# KiCad board Parallel.kicad_pcb (continued)
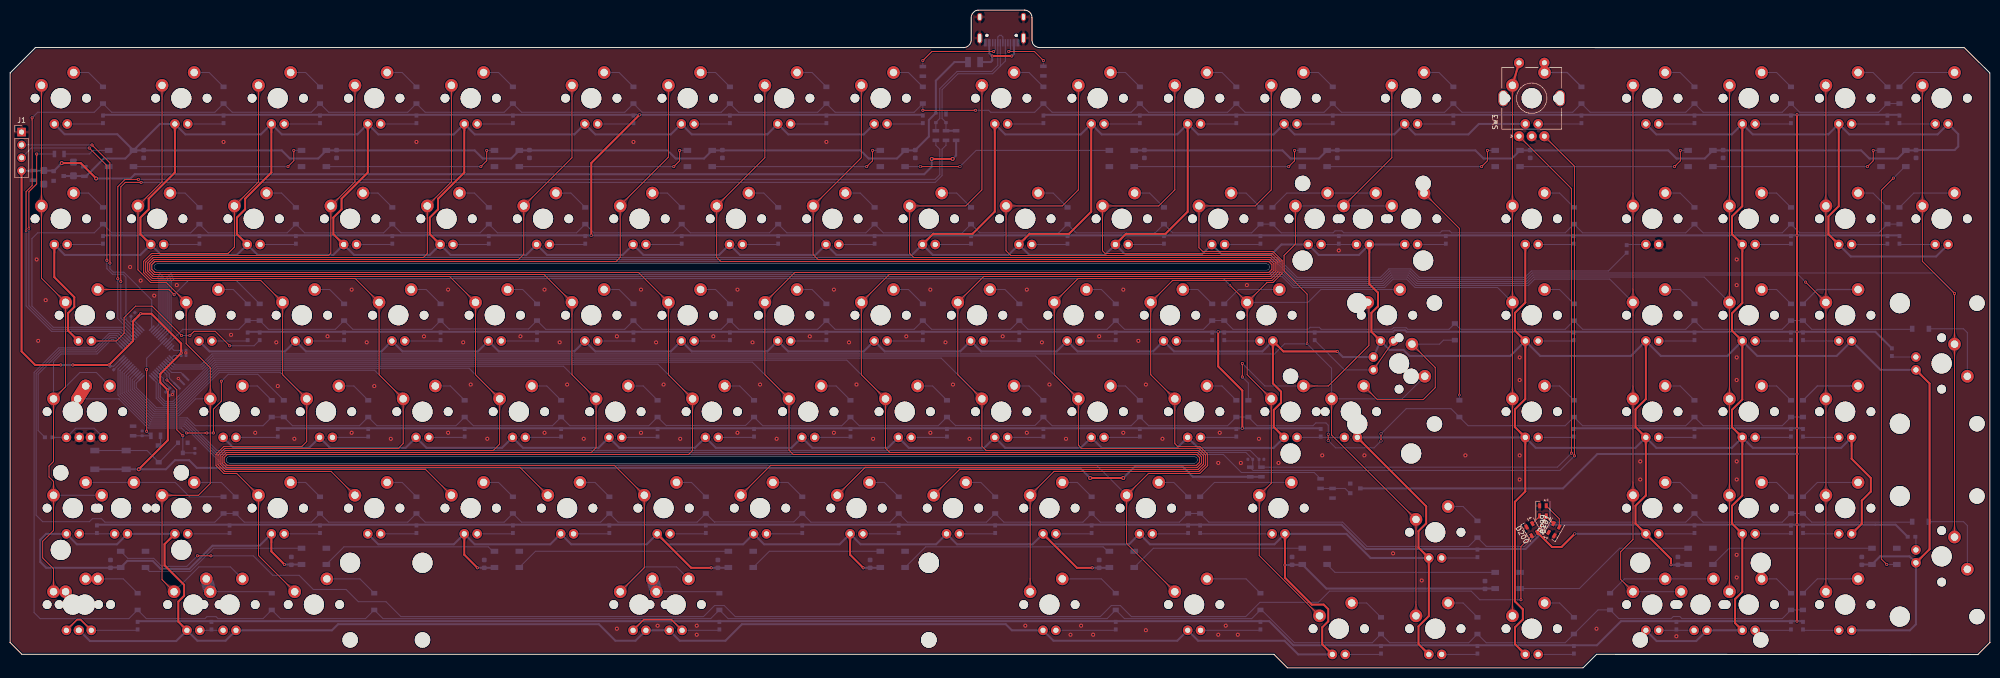
[diagram p0: board, top side]
## Placement (name value [footprint] x y rotation side) (continued)
R48  330R  [C_0603]  49.29 65.48 90 bottom
R49  330R  [C_0603]  89.77 46.43 90 bottom
R50  330R  [C_0603]  65.96 65.48 90 bottom
R51  330R  [C_0603]  108.82 46.43 90 bottom
R52  330R  [C_0603]  104.06 65.48 90 bottom
R53  330R  [C_0603]  257.65 65.48 90 bottom
R54  330R  [C_0603]  373.14 84.53 90 bottom
R55  330R  [C_0603]  235.03 27.38 90 bottom
R56  330R  [C_0603]  354.09 65.48 90 bottom
R57  330R  [C_0603]  204.07 46.43 90 bottom
R58  330R  [C_0603]  156.45 27.38 90 bottom
R59  330R  [C_0603]  146.92 46.43 90 bottom
R60  330R  [C_0603]  370.76 84.53 90 bottom
R61  330R  [C_0603]  308.85 65.48 90 bottom
R62  330R  [C_0603]  185.02 46.43 90 bottom
R63  330R  [C_0603]  213.6 27.38 90 bottom
R64  330R  [C_0603]  351.71 46.43 90 bottom
R65  330R  [C_0603]  308.85 46.43 90 bottom
R66  330R  [C_0603]  218.36 65.48 90 bottom
R67  330R  [C_0603]  165.97 46.43 90 bottom
R68  330R  [C_0603]  354.09 46.43 90 bottom
R69  330R  [C_0603]  332.66 65.48 90 bottom
R70  330R  [C_0603]  237.41 65.48 90 bottom
R71  330R  [C_0603]  175.5 27.38 90 bottom
R72  330R  [C_0603]  137.4 27.38 90 bottom
R73  330R  [C_0603]  332.66 46.43 90 bottom
R74  330R  [C_0603]  258.84 46.43 90 bottom
R75  330R  [C_0603]  223.12 46.43 90 bottom
R76  330R  [C_0603]  232.65 27.38 90 bottom
R77  330R  [C_0603]  194.55 27.38 90 bottom
R78  330R  [C_0603]  351.71 84.53 90 bottom
R79  330R  [C_0603]  199.31 65.48 90 bottom
R80  330R  [C_0603]  127.87 46.43 90 bottom
R81  330R  [C_0603]  371.65 62.35 90 bottom
R82  330R  [C_0603]  242.17 46.43 90 bottom
R83  330R  [C_0603]  319.27 82.75 90 bottom
R84  330R  [C_0603]  308.85 84.53 90 bottom
R85  330R  [C_0603]  239.79 65.48 90 bottom
R86  330R  [C_0603]  351.71 65.48 90 bottom
R87  330R  [C_0603]  118.35 27.38 90 bottom
R88  330R  [C_0603]  99.3 27.38 90 bottom
R89  330R  [C_0603]  80.25 27.38 90 bottom
R90  330R  [C_0603]  289.8 22.62 90 bottom
R91  330R  [C_0603]  61.2 27.38 90 bottom
R92  330R  [C_0603]  17.14 27.38 90 bottom
R93  330R  [C_0603]  43.34 27.38 90 bottom
R94  330R  [C_0603]  332.66 27.38 90 bottom
R95  330R  [C_0603]  351.71 27.38 90 bottom
R96  330R  [C_0603]  354.09 27.38 90 bottom
R97  330R  [C_0603]  308.85 3.57 90 bottom
R98  330R  [C_0603]  375.52 25.9 180 bottom
R99  330R  [C_0603]  270.75 3.57 90 bottom
R100  330R  [C_0603]  289.8 3.57 90 bottom
R101  330R  [C_0603]  140.08 8.33 90 bottom
R102  330R  [C_0603]  218.36 8.33 90 bottom
R103  330R  [C_0603]  246.93 8.33 90 bottom
R104  330R  [C_0603]  329.09 8.33 90 bottom
R105  330R  [C_0603]  351.71 8.33 90 bottom
R106  330R  [C_0603]  354.09 8.33 90 bottom
R107  5.1k  [R_0805]  180.26 117.82 90 bottom
R108  5.1k  [R_0805]  204.07 117.87 90 bottom
R109  22  [R_0805]  184.83 105.14 90 bottom
R110  22  [R_0805]  182.83 105.14 90 bottom
R111  330R  [C_0603]  25.18 8.33 90 bottom
R112  330R  [C_0603]  39.77 8.33 90 bottom
R113  200-500R  [R_0805]  9.7 101.5 0 bottom
R114  100R  [R_0805]  258.81 36.39 270 bottom
R115  10k  [R_0805]  261.17 34.49 270 bottom
R116  10k  [R_0805]  247.13 38.7 90 bottom
R117  330k (±1%)  [R_0805]  28.75 45.84 180 bottom
R118  1.5k  [R_0805]  186.83 105.14 90 bottom
RGB1  WS2812B  [LED_WS2812B_PLCC4_5.0x5.0mm_P3.2mm]  21.91 100.61 180 bottom
RGB2  WS2812B  [LED_WS2812B_PLCC4_5.0x5.0mm_P3.2mm]  60.01 100.61 180 bottom
RGB3  WS2812B  [LED_WS2812B_PLCC4_5.0x5.0mm_P3.2mm]  98.11 100.61 180 bottom
RGB4  WS2812B  [LED_WS2812B_PLCC4_5.0x5.0mm_P3.2mm]  136.21 100.61 180 bottom
RGB5  WS2812B  [LED_WS2812B_PLCC4_5.0x5.0mm_P3.2mm]  174.31 100.61 180 bottom
RGB6  WS2812B  [LED_WS2812B_PLCC4_5.0x5.0mm_P3.2mm]  219.55 100.61 180 bottom
RGB7  WS2812B  [LED_WS2812B_PLCC4_5.0x5.0mm_P3.2mm]  257.65 100.61 180 bottom
RGB8  WS2812B  [LED_WS2812B_PLCC4_5.0x5.0mm_P3.2mm]  295.75 100.61 180 bottom
RGB9  WS2812B  [LED_WS2812B_PLCC4_5.0x5.0mm_P3.2mm]  333.85 100.61 180 bottom
RGB10  WS2812B  [LED_WS2812B_PLCC4_5.0x5.0mm_P3.2mm]  371.95 100.61 180 bottom
RGB11  WS2812B  [LED_WS2812B_PLCC4_5.0x5.0mm_P3.2mm]  24.29 21.43 0 bottom
RGB12  WS2812B  [LED_WS2812B_PLCC4_5.0x5.0mm_P3.2mm]  60.01 22.03 0 bottom
RGB13  WS2812B  [LED_WS2812B_PLCC4_5.0x5.0mm_P3.2mm]  98.11 21.43 0 bottom
RGB14  WS2812B  [LED_WS2812B_PLCC4_5.0x5.0mm_P3.2mm]  144.3 21.43 0 bottom
RGB15  WS2812B  [LED_WS2812B_PLCC4_5.0x5.0mm_P3.2mm]  174.31 21.43 0 bottom
RGB16  WS2812B  [LED_WS2812B_PLCC4_5.0x5.0mm_P3.2mm]  219.55 21.43 0 bottom
RGB17  WS2812B  [LED_WS2812B_PLCC4_5.0x5.0mm_P3.2mm]  257.65 22.03 0 bottom
RGB18  WS2812B  [LED_WS2812B_PLCC4_5.0x5.0mm_P3.2mm]  295.75 17.26 0 bottom
RGB19  WS2812B  [LED_WS2812B_PLCC4_5.0x5.0mm_P3.2mm]  333.85 22.03 0 bottom
RGB20  WS2812B  [LED_WS2812B_PLCC4_5.0x5.0mm_P3.2mm]  370.16 22.03 0 bottom
SW1  SW_Push  [SKQG-1155865]  19.82 41.08 180 bottom
SW3  Rotary_Encoder_Switch  [RotaryEncoder_Alps_EC11E-Switch_Vertical_H20mm_Center]  300.51 112.51 90 top
U1  STM32F303CCT6  [LQFP-48_7x7mm_P0.5mm]  26.97 62.21 135 bottom
U2  MCP1700-3302E / MCP1703A-3302 (SOT23)  [SOT-23]  9.59 97.15 0 bottom
U5  PRTR5V0U2X  [SOT143B]  183.83 108.64 180 bottom
USB1  HRO-TYPE-C-31-M-12  [HRO-TYPE-C-31-M-12-Assembly]  195.81 131.16 0 bottom
Y2  Resonator 8Mhz  [Resonator_SMD_muRata_CSTxExxV-3Pin_3.0x1.1mm]  33.81 56.55 225 bottom

## Footprints (pads in the part's own frame, mm; a bottom-side part is the same pattern mirrored in y, then rotated)
C_0402_1005Metric
  rrect 0.56x0.62 smd: 1(-0.48,0) 2(0.48,0)
C_0603
  rect 0.8x0.75 smd: 1(-0.75,0) 2(0.75,0)
C_0603_1608Metric
  rrect 0.9x0.95 smd: 1(-0.775,0) 2(0.775,0)
CP_EIA-3216-10_Kemet-I
  rrect 1.4x1.35 smd: 1(-1.35,0) 2(1.35,0)
D_SOD-123
  rect 0.9x1.2 smd: 1(-1.65,0) 2(1.65,0)
Fuse_SMD1206_Reflow
  rect 1.14x2.03 smd: 1(-1.2,0) 2(1.2,0)
HRO-TYPE-C-31-M-12-Assembly
  round 0.65 hole 0.65 unplated: (-2.89,6.25) (2.89,6.25)
  rect 0.6x1.45 smd: 1(-3.225,7.695) 2(-2.45,7.695) 11(2.45,7.695) 12(3.225,7.695)
  rect 0.3x1.45 smd: 3(-1.75,7.695) 4(-1.25,7.695) 5(-0.75,7.695) 6(-0.25,7.695) 7(0.25,7.695) 8(0.75,7.695) 9(1.25,7.695) 10(1.75,7.695)
  oval 1x1.6 hole 0.6x1.2: 13(-4.32,2.6) 13(4.32,2.6)
  oval 1x2.1 hole 0.6x1.7: 13(-4.32,6.78) 13(4.32,6.78)
LED_SK6805_PLCC4_2.4x2.7mm_P1.3mm
  rect 1x0.6 smd: 1(-1,0.65) 2(-1,-0.65) 3(1,-0.65) 4(1,0.65)
LED_WS2812B_PLCC4_5.0x5.0mm_P3.2mm
  rect 1.5x1 smd: 1(-2.45,1.6) 2(-2.45,-1.6) 3(2.45,-1.6) 4(2.45,1.6)
LQFP-48_7x7mm_P0.5mm
  rrect 1.475x0.3 smd: 1(-4.162,2.75) 2(-4.162,2.25) 3(-4.162,1.75) 4(-4.162,1.25) 5(-4.162,0.75) 6(-4.162,0.25) 7(-4.162,-0.25) 8(-4.162,-0.75) 9(-4.162,-1.25) 10(-4.162,-1.75) 11(-4.162,-2.25) 12(-4.162,-2.75) 25(4.162,-2.75) 26(4.162,-2.25) 27(4.162,-1.75) 28(4.162,-1.25) 29(4.162,-0.75) 30(4.162,-0.25) 31(4.162,0.25) 32(4.162,0.75) 33(4.162,1.25) 34(4.162,1.75) 35(4.162,2.25) 36(4.162,2.75)
  rrect 0.3x1.475 smd: 13(-2.75,-4.162) 14(-2.25,-4.162) 15(-1.75,-4.162) 16(-1.25,-4.162) 17(-0.75,-4.162) 18(-0.25,-4.162) 19(0.25,-4.162) 20(0.75,-4.162) 21(1.25,-4.162) 22(1.75,-4.162) 23(2.25,-4.162) 24(2.75,-4.162) 37(2.75,4.162) 38(2.25,4.162) 39(1.75,4.162) 40(1.25,4.162) 41(0.75,4.162) 42(0.25,4.162) 43(-0.25,4.162) 44(-0.75,4.162) 45(-1.25,4.162) 46(-1.75,4.162) 47(-2.25,4.162) 48(-2.75,4.162)
MXOnly-1.5U-NoLED
  round 1.75 hole 1.75 unplated: (-5.08,0) (5.08,0)
  round 3.988 hole 3.988 unplated: (0,0)
  round 2.5 hole 1.47: 1(-3.81,2.54) 2(2.54,5.08)
MXOnly-1.25U-NoLED
  round 1.75 hole 1.75 unplated: (-5.08,0) (5.08,0)
  round 3.988 hole 3.988 unplated: (0,0)
  round 2.5 hole 1.47: 1(-3.81,2.54) 2(2.54,5.08)
MXOnly-1.75U-NoLED
  round 1.75 hole 1.75 unplated: (-5.08,0) (5.08,0)
  round 3.988 hole 3.988 unplated: (0,0)
  round 2.5 hole 1.47: 1(-3.81,2.54) 2(2.54,5.08)
MXOnly-1U-NoLED
  round 1.75 hole 1.75 unplated: (-5.08,0) (5.08,0)
  round 3.988 hole 3.988 unplated: (0,0)
  round 2.5 hole 1.47: 1(-3.81,2.54) 2(2.54,5.08)
MXOnly-2.25U-NoLED
  round 3.048 hole 3.048 unplated: (-11.906,6.985) (11.906,6.985)
  round 3.988 hole 3.988 unplated: (-11.906,-8.255) (0,0) (11.906,-8.255)
  round 1.75 hole 1.75 unplated: (-5.08,0) (5.08,0)
  round 2.5 hole 1.47: 1(-3.81,2.54) 2(2.54,5.08)
MXOnly-2U-NoLED
  round 3.048 hole 3.048 unplated: (-11.906,6.985) (11.906,6.985)
  round 3.988 hole 3.988 unplated: (-11.906,-8.255) (0,0) (11.906,-8.255)
  round 1.75 hole 1.75 unplated: (-5.08,0) (5.08,0)
  round 2.5 hole 1.47: 1(-3.81,2.54) 2(2.54,5.08)
MXOnly-2U-ReversedStabilizers-NoLED
  round 3.988 hole 3.988 unplated: (-11.906,8.255) (0,0) (11.906,8.255)
  round 3.048 hole 3.048 unplated: (-11.906,-6.985) (11.906,-6.985)
  round 1.75 hole 1.75 unplated: (-5.08,0) (5.08,0)
  round 2.5 hole 1.47: 1(-3.81,2.54) 2(2.54,5.08)
MXOnly-6.25U-ReversedStabilizers-NoLED
  round 3.988 hole 3.988 unplated: (-50,8.255) (0,0) (50,8.255)
  round 3.048 hole 3.048 unplated: (-50,-6.985) (50,-6.985)
  round 1.75 hole 1.75 unplated: (-5.08,0) (5.08,0)
  round 2.5 hole 1.47: 1(-3.81,2.54) 2(2.54,5.08)
MXOnly-7U-ReversedStabilizers-NoLED
  round 3.988 hole 3.988 unplated: (-57.15,8.255) (0,0) (57.15,8.255)
  round 3.048 hole 3.048 unplated: (-57.15,-6.985) (57.15,-6.985)
  round 1.75 hole 1.75 unplated: (-5.08,0) (5.08,0)
  round 2.5 hole 1.47: 1(-3.81,2.54) 2(2.54,5.08)
MXOnly-ISO-ROTATED-ReversedStabilizers-NoLED
  round 3.988 hole 3.988 unplated: (-8.255,11.938) (-8.255,-11.938) (0,0)
  round 1.75 hole 1.75 unplated: (0,5.08) (0,-5.08)
  round 3.048 hole 3.048 unplated: (6.985,11.938) (6.985,-11.938)
  round 2.5 hole 1.47: 1(2.54,3.81) 2(5.08,-2.54)
MXOnly-LEDONLY
  round 1.905 hole 1.04: 1(1.27,-5.08) 2(-1.27,-5.08)
MXOnly-LEDONLY-FLIPPED
  round 1.905 hole 1.04: 1(-1.27,-5.08) 2(1.27,-5.08)
PinHeader_1x04_P2.54mm_Vertical
  rect 1.7x1.7 hole 1: 1(0,0)
  oval 1.7x1.7 hole 1: 2(0,-2.54) 3(0,-5.08) 4(0,-7.62)
R_0805
  rect 0.7x1.3 smd: 1(-0.95,0) 2(0.95,0)
Resonator_SMD_muRata_CSTxExxV-3Pin_3.0x1.1mm
  rect 0.4x1.9 smd: 1(-1.2,0) 2(0,0) 3(1.2,0)
RotaryEncoder_Alps_EC11E-Switch_Vertical_H20mm_Center
  round 2 hole 1: A(-7.5,2.5) B(-7.5,-2.5) C(-7.5,0) S1(7,-2.5) S2(7,2.5)
  oval 3.2x2 hole 2.8x1.5: MP(0,5.6) MP(0,-5.6)
SKQG-1155865
  rect 1.8x1.1 smd: 1(-3.1,-1.85) 1(3.1,-1.85) 2(-3.1,1.85) 2(3.1,1.85)
SOT143B
  rect 0.7x1 smd: 1(-1,0.75)
  rect 0.7x0.6 smd: 2(-1,-0.95) 3(1,-0.95) 4(1,0.95)
SOT-23
  rect 0.9x0.8 smd: 1(-1,0.95) 2(-1,-0.95) 3(1,0)

## Nets
+5V: C1.2 C2.1 C11.1 C13.2 C14.1 C15.2 C16.1 C17.2 C18.1 C19.2 C20.1 C21.2 C22.1 C23.2 C24.1 C25.2 C26.1 C27.2 C28.1 C29.2 C30.1 D1.2 D2.2 D3.2 D4.2 D5.2 D6.2 D7.2 D8.2 D9.2 D10.2 D11.2 D12.2 D13.2 D14.2 D15.2 D16.2 D35.2 D38.2 D41.2 D44.2 D47.2 D50.2 D79.2 D80.2 D81.2 D82.2 D83.2 D84.2 D85.2 D86.2 D87.2 D88.2 D89.2 D90.2 D91.2 D92.2 D93.2 D94.2 D95.2 D96.2 D97.2 D98.2 D99.2 D100.2 D101.2 D102.2 D104.2 D105.2 D106.2 D107.2 D108.2 D109.2 D110.2 D111.2 D113.2 D114.2 D115.2 D116.2 D117.2 D118.2 D119.2 D120.2 D121.2 D122.2 D123.2 D124.2 D125.2 D126.2 D127.2 D128.2 D129.2 D130.2 D131.2 D132.2 D133.2 D134.2 D135.2 D136.2 D137.2 D138.2 D139.2 D140.2 D141.2 D142.2 D143.2 D144.2 D145.2 D146.2 D148.2 D183.2 D188.2 D189.2 D190.2 D191.2 D192.2 D193.2 D194.2 D195.2 D196.2 D197.2 D198.2 D199.4 D200.4 D201.4 D213.2 D214.2 D215.2 D216.2 D217.2 D218.2 D222.2 D223.2 D224.2 F1.2 R3.1 RGB1.1 RGB2.1 RGB3.1 RGB4.1 RGB5.1 RGB6.1 RGB7.1 RGB8.1 RGB9.1 RGB10.1 RGB11.1 RGB12.1 RGB13.1 RGB14.1 RGB15.1 RGB16.1 RGB17.1 RGB18.1 RGB19.1 RGB20.1 U2.3 U5.4
GND: C1.1 C2.2 C3.1 C4.1 C5.1 C6.1 C7.1 C8.1 C9.1 C10.1 C11.2 C12.2 C13.1 C14.2 C15.1 C16.2 C17.1 C18.2 C19.1 C20.2 C21.1 C22.2 C23.1 C24.2 C25.1 C26.2 C27.1 C28.2 C29.1 C30.2 C31.2 C32.2 C33.1 D103.1 D112.1 D147.1 D199.2 D200.2 D201.2 J1.1 Q1.2 Q2.2 R1.2 R3.2 R4.2 R107.1 R108.1 R115.2 RGB1.3 RGB2.3 RGB3.3 RGB4.3 RGB5.3 RGB6.3 RGB7.3 RGB8.3 RGB9.3 RGB10.3 RGB11.3 RGB12.3 RGB13.3 RGB14.3 RGB15.3 RGB16.3 RGB17.3 RGB18.3 RGB19.3 RGB20.3 SW3.C U1.8 U1.23 U1.35 U1.47 U2.1 U5.1 USB1.1 USB1.12 USB1.13 Y2.2
VCC: C4.2 C5.2 C6.2 C7.2 C8.2 C9.2 C10.2 C12.1 J1.4 R2.2 R4.1 R116.1 R118.1 SW1.1 U1.1 U1.9 U1.24 U1.36 U1.48 U2.2
/R+: R110.2 U5.3 USB1.5 USB1.7
/R-: R109.2 R118.2 U5.2 USB1.6 USB1.8
Boot0: C31.1 R1.1 R117.2 U1.44
CapLk: R45.1 U1.26
Col0: MX1.1 MX20.1 MX39.1 MX58.2 MX59.1 MX97.1 MX98.1 MX107.1 MX112.1 U1.25
Col1: MX2.1 MX21.1 MX40.1 MX60.1 MX61.1 MX108.2 MX113.1 U1.17
Col2: MX3.1 MX22.1 MX41.1 MX62.1 MX63.1 MX114.1 U1.16
Col3: MX4.1 MX23.1 MX42.1 MX64.1 MX65.1 U1.15
Col4: MX5.1 MX24.1 MX43.1 MX66.1 MX67.1 U1.14
Col5: MX6.1 MX25.1 MX44.1 MX68.1 MX69.1 U1.13
Col6: MX7.1 MX26.1 MX45.1 MX70.1 MX71.1 MX109.1 MX115.2 U1.12
Col7: MX8.1 MX27.1 MX46.1 MX72.1 MX73.1 U1.11
Col8: MX9.1 MX28.1 MX47.1 MX74.1 MX75.1 U1.10
Col9: MX10.1 MX29.1 MX48.1 MX76.1 MX77.1 U1.4
Col10: MX11.1 MX30.1 MX49.1 MX78.1 MX79.1 MX110.1 U1.3
Col11: MX12.1 MX31.1 MX50.1 MX80.1 MX81.1 MX111.1 U1.22
Col12: MX13.1 MX32.1 MX51.1 MX52.1 MX83.1 MX99.2 MX101.1 U1.45
Col13: MX14.1 MX33.1 MX82.2 MX84.1 MX85.1 MX95.1 MX96.1 MX100.1 U1.2
Col14: MX15.1 MX34.1 MX53.1 MX86.1 MX102.1 SW3.S2 U1.43
Col15: MX16.1 MX35.1 MX54.1 MX88.1 MX89.1 MX103.1 MX106.1 U1.42
Col16: MX17.1 MX36.1 MX55.1 MX90.1 MX91.1 MX104.1 U1.41
Col17: MX18.1 MX37.1 MX56.1 MX92.1 MX93.1 MX105.1 U1.40
Col18: MX19.1 MX38.1 MX57.1 MX94.1 U1.39
D+: R109.1 U1.33
D-: R110.1 U1.32
DOut1: RGB10.2 RGB20.4
DOut2: D200.3 RGB11.2
EC-A: C33.2 R116.2 SW3.A U1.19
EC-B: C32.1 R2.1 SW3.B U1.20
HSE_IN: U1.5 Y2.1
HSE_OUT: U1.6 Y2.3
ledGND: Q1.3 R5.2 R6.2 R7.2 R8.2 R9.2 R10.2 R11.2 R12.2 R13.2 R14.2 R15.2 R16.2 R17.2 R18.2 R19.2 R20.2 R21.2 R22.2 R23.2 R24.2 R25.2 R26.2 R27.2 R28.2 R29.2 R30.2 R31.2 R32.2 R33.2 R34.2 R35.2 R36.2 R37.2 R38.2 R39.2 R40.2 R41.2 R42.2 R43.2 R44.2 R46.2 R47.2 R48.2 R49.2 R50.2 R51.2 R52.2 R53.2 R54.2 R55.2 R56.2 R57.2 R58.2 R59.2 R60.2 R61.2 R62.2 R63.2 R64.2 R65.2 R66.2 R67.2 R68.2 R69.2 R70.2 R71.2 R72.2 R73.2 R74.2 R75.2 R76.2 R77.2 R78.2 R79.2 R80.2 R81.2 R82.2 R84.2 R85.2 R86.2 R87.2 R88.2 R89.2 R90.2 R91.2 R92.2 R93.2 R94.2 R95.2 R96.2 R97.2 R98.2 R99.2 R100.2 R101.2 R102.2 R103.2 R104.2 R105.2 R106.2 R111.2 R112.2
ledPWM: R114.1 U1.21
NRST: C3.2 Q2.3 U1.7
NumLk: R83.1 U1.38
RGBIN: R113.1 U1.30
Row0: D17.1 D19.1 D21.1 D23.1 D25.1 D27.1 D29.1 D31.1 D33.1 D36.1 D39.1 D42.1 D45.1 D48.1 D51.1 D53.1 D55.1 D57.1 D59.1 U1.29
Row1: D18.1 D20.1 D22.1 D24.1 D26.1 D28.1 D30.1 D32.1 D34.1 D37.1 D40.1 D43.1 D46.1 D49.1 D52.1 D54.1 D56.1 D58.1 D60.1 U1.31
Row2: D61.1 D62.1 D63.1 D64.1 D65.1 D66.1 D67.1 D68.1 D69.1 D70.1 D71.1 D72.1 D73.1 D74.1 D75.1 D76.1 D77.1 D78.1 D167.1 U1.46
Row3: D149.1 D150.1 D151.1 D152.1 D153.1 D154.1 D155.1 D156.1 D157.1 D158.1 D159.1 D160.1 D161.1 D162.1 D163.1 D164.1 D165.1 D166.1 U1.18
Row4: D169.1 D170.1 D171.1 D172.1 D173.1 D174.1 D175.1 D176.1 D177.1 D178.1 D179.1 D180.1 D181.1 D182.1 D184.1 D185.1 D186.1 D187.1 U1.27
Row5: D168.1 D202.1 D203.1 D204.1 D205.1 D206.1 D207.1 D208.1 D209.1 D210.1 D211.1 D212.1 U1.28
S1: D51.2 MX15.2 SW3.S1
SWCLK: J1.2 U1.37
SWDIO: J1.3 U1.34
Net-(D1-Pad1): D1.1 R5.1
Net-(D2-Pad1): D2.1 R6.1
Net-(D3-Pad1): D3.1 R7.1
Net-(D4-Pad1): D4.1 R8.1
Net-(D5-Pad1): D5.1 R9.1
Net-(D6-Pad1): D6.1 R10.1
Net-(D7-Pad1): D7.1 R11.1
Net-(D8-Pad1): D8.1 R12.1
Net-(D9-Pad1): D9.1 R13.1
Net-(D10-Pad1): D10.1 R14.1
Net-(D11-Pad1): D11.1 R15.1
Net-(D12-Pad1): D12.1 R16.1
Net-(D13-Pad1): D13.1 R17.1
Net-(D14-Pad1): D14.1 R18.1
Net-(D15-Pad1): D15.1 R19.1
Net-(D16-Pad1): D16.1 R20.1
Net-(D17-Pad2): D17.2 MX1.2
Net-(D18-Pad2): D18.2 MX20.2
Net-(D19-Pad2): D19.2 MX2.2
Net-(D20-Pad2): D20.2 MX21.2
Net-(D21-Pad2): D21.2 MX3.2
Net-(D22-Pad2): D22.2 MX22.2
Net-(D23-Pad2): D23.2 MX4.2
Net-(D24-Pad2): D24.2 MX23.2
Net-(D25-Pad2): D25.2 MX5.2
Net-(D26-Pad2): D26.2 MX24.2
Net-(D27-Pad2): D27.2 MX6.2
Net-(D28-Pad2): D28.2 MX25.2
Net-(D29-Pad2): D29.2 MX7.2
Net-(D30-Pad2): D30.2 MX26.2
Net-(D31-Pad2): D31.2 MX8.2
Net-(D32-Pad2): D32.2 MX27.2
Net-(D33-Pad2): D33.2 MX9.2
Net-(D34-Pad2): D34.2 MX28.2
Net-(D35-Pad1): D35.1 D38.1 R101.1
Net-(D36-Pad2): D36.2 MX10.2
Net-(D37-Pad2): D37.2 MX29.2
Net-(D39-Pad2): D39.2 MX11.2
Net-(D40-Pad2): D40.2 MX30.2
Net-(D41-Pad1): D41.1 R102.1
Net-(D42-Pad2): D42.2 MX12.2
Net-(D43-Pad2): D43.2 MX31.2
Net-(D44-Pad1): D44.1 R103.1
Net-(D45-Pad2): D45.2 MX13.2
Net-(D46-Pad2): D46.2 MX32.2
Net-(D47-Pad1): D47.1 D50.1 R104.1
Net-(D48-Pad2): D48.2 MX14.2
Net-(D49-Pad2): D49.2 MX33.2 MX96.2
Net-(D52-Pad2): D52.2 MX34.2
Net-(D53-Pad2): D53.2 MX16.2
Net-(D54-Pad2): D54.2 MX35.2
Net-(D55-Pad2): D55.2 MX17.2
Net-(D56-Pad2): D56.2 MX36.2
Net-(D57-Pad2): D57.2 MX18.2
Net-(D58-Pad2): D58.2 MX37.2
Net-(D59-Pad2): D59.2 MX19.2
Net-(D60-Pad2): D60.2 MX38.2
Net-(D61-Pad2): D61.2 MX39.2
Net-(D62-Pad2): D62.2 MX40.2
Net-(D63-Pad2): D63.2 MX41.2
Net-(D64-Pad2): D64.2 MX42.2
Net-(D65-Pad2): D65.2 MX43.2
Net-(D66-Pad2): D66.2 MX44.2
Net-(D67-Pad2): D67.2 MX45.2
Net-(D68-Pad2): D68.2 MX46.2
Net-(D69-Pad2): D69.2 MX47.2
Net-(D70-Pad2): D70.2 MX48.2
Net-(D71-Pad2): D71.2 MX49.2
Net-(D72-Pad2): D72.2 MX50.2
Net-(D73-Pad2): D73.2 MX51.2
Net-(D74-Pad2): D74.2 MX82.1 MX100.2
Net-(D75-Pad2): D75.2 MX53.2
Net-(D76-Pad2): D76.2 MX54.2
Net-(D77-Pad2): D77.2 MX55.2
Net-(D78-Pad2): D78.2 MX56.2
Net-(D79-Pad1): D79.1 R21.1
Net-(D80-Pad1): D80.1 R22.1
Net-(D81-Pad1): D81.1 R23.1
Net-(D82-Pad1): D82.1 R24.1
Net-(D83-Pad1): D83.1 R25.1
Net-(D84-Pad1): D84.1 R26.1
Net-(D85-Pad1): D85.1 R27.1
Net-(D86-Pad1): D86.1 R28.1
Net-(D87-Pad1): D87.1 R29.1
Net-(D88-Pad1): D88.1 R30.1
Net-(D89-Pad1): D89.1 R31.1
Net-(D90-Pad1): D90.1 R32.1
Net-(D91-Pad1): D91.1 R33.1
Net-(D92-Pad1): D92.1 R34.1
Net-(D93-Pad1): D93.1 R35.1
Net-(D94-Pad1): D94.1 R36.1
Net-(D96-Pad1): D96.1 R38.1
Net-(D97-Pad1): D97.1 R39.1
Net-(D98-Pad1): D98.1 R40.1
Net-(D99-Pad1): D99.1 R41.1
Net-(D100-Pad1): D100.1 R42.1
Net-(D101-Pad1): D101.1 R43.1
Net-(D102-Pad1): D102.1 R44.1
Net-(D103-Pad2): D103.2 D112.2 R45.2
Net-(D104-Pad1): D104.1 R46.1
Net-(D105-Pad1): D105.1 R47.1
Net-(D106-Pad1): D106.1 R48.1
Net-(D107-Pad1): D107.1 R49.1
Net-(D108-Pad1): D108.1 R50.1
Net-(D109-Pad1): D109.1 R51.1
Net-(D110-Pad1): D110.1 R52.1
Net-(D111-Pad1): D95.1 D111.1 R37.1
Net-(D113-Pad1): D113.1 D114.1 R53.1
Net-(D115-Pad1): D115.1 R86.1
Net-(D116-Pad1): D116.1 R54.1
Net-(D117-Pad1): D117.1 R55.1
Net-(D118-Pad1): D118.1 R56.1
Net-(D119-Pad1): D119.1 R57.1
Net-(D120-Pad1): D120.1 R58.1
Net-(D121-Pad1): D121.1 R59.1
Net-(D122-Pad1): D122.1 R60.1
Net-(D123-Pad1): D123.1 R61.1
Net-(D124-Pad1): D124.1 R62.1
Net-(D125-Pad1): D125.1 R63.1
Net-(D126-Pad1): D126.1 R64.1
Net-(D127-Pad1): D127.1 R65.1
Net-(D128-Pad1): D128.1 R66.1
Net-(D129-Pad1): D129.1 R67.1
Net-(D130-Pad1): D130.1 R68.1
Net-(D131-Pad1): D131.1 R69.1
Net-(D132-Pad1): D132.1 D138.1 R74.1
Net-(D133-Pad1): D133.1 R70.1
Net-(D134-Pad1): D134.1 R85.1
Net-(D135-Pad1): D135.1 R71.1
Net-(D136-Pad1): D136.1 R72.1
Net-(D137-Pad1): D137.1 R73.1
Net-(D139-Pad1): D139.1 R75.1
Net-(D140-Pad1): D140.1 R76.1
Net-(D141-Pad1): D141.1 R77.1
Net-(D142-Pad1): D142.1 R78.1
Net-(D143-Pad1): D143.1 R79.1
Net-(D144-Pad1): D144.1 R80.1
Net-(D145-Pad1): D145.1 R81.1
Net-(D146-Pad1): D146.1 R82.1
Net-(D147-Pad2): D147.2 R83.2
Net-(D148-Pad1): D148.1 R84.1
Net-(D149-Pad2): D149.2 MX58.1 MX97.2
Net-(D150-Pad2): D150.2 MX60.2
Net-(D151-Pad2): D151.2 MX62.2
Net-(D152-Pad2): D152.2 MX64.2
Net-(D153-Pad2): D153.2 MX66.2
Net-(D154-Pad2): D154.2 MX68.2
Net-(D155-Pad2): D155.2 MX70.2
Net-(D156-Pad2): D156.2 MX72.2
Net-(D157-Pad2): D157.2 MX74.2
Net-(D158-Pad2): D158.2 MX76.2
Net-(D159-Pad2): D159.2 MX78.2
Net-(D160-Pad2): D160.2 MX80.2
Net-(D161-Pad2): D161.2 MX52.2 MX99.1
Net-(D162-Pad2): D162.2 MX84.2
Net-(D163-Pad2): D163.2 MX86.2
Net-(D164-Pad2): D164.2 MX88.2
Net-(D165-Pad2): D165.2 MX90.2
Net-(D166-Pad2): D166.2 MX92.2
Net-(D167-Pad2): D167.2 MX57.2
Net-(D168-Pad2): D168.2 MX95.2
Net-(D169-Pad2): D169.2 MX59.2 MX98.2
Net-(D170-Pad2): D170.2 MX61.2
Net-(D171-Pad2): D171.2 MX63.2
Net-(D172-Pad2): D172.2 MX65.2
Net-(D173-Pad2): D173.2 MX67.2
Net-(D174-Pad2): D174.2 MX69.2
Net-(D175-Pad2): D175.2 MX71.2
Net-(D176-Pad2): D176.2 MX73.2
Net-(D177-Pad2): D177.2 MX75.2
Net-(D178-Pad2): D178.2 MX77.2
Net-(D179-Pad2): D179.2 MX79.2
Net-(D180-Pad2): D180.2 MX81.2
Net-(D181-Pad2): D181.2 MX83.2
Net-(D182-Pad2): D182.2 MX85.2
Net-(D183-Pad1): D183.1 D222.1 R111.1
Net-(D184-Pad2): D184.2 MX89.2
Net-(D185-Pad2): D185.2 MX91.2
Net-(D186-Pad2): D186.2 MX93.2
Net-(D187-Pad2): D187.2 MX94.2
Net-(D188-Pad1): D188.1 R87.1
Net-(D189-Pad1): D189.1 R88.1
Net-(D190-Pad1): D190.1 R89.1
Net-(D191-Pad1): D191.1 R90.1
Net-(D192-Pad1): D192.1 R91.1
Net-(D193-Pad1): D193.1 D194.1 R92.1
Net-(D195-Pad1): D195.1 R93.1
Net-(D196-Pad1): D196.1 R94.1
Net-(D197-Pad1): D197.1 R95.1
Net-(D198-Pad1): D198.1 R96.1
Net-(D199-Pad1): D199.1 D201.3
Net-(D199-Pad3): D199.3 D200.1
Net-(D202-Pad2): D202.2 MX101.2
Net-(D203-Pad2): D203.2 MX102.2
Net-(D204-Pad2): D204.2 MX103.2 MX106.2
Net-(D205-Pad2): D205.2 MX104.2
Net-(D206-Pad2): D206.2 MX105.2
Net-(D207-Pad2): D207.2 MX107.2 MX112.2
Net-(D208-Pad2): D208.2 MX108.1 MX113.2
Net-(D209-Pad2): D209.2 MX109.2 MX115.1
Net-(D210-Pad2): D210.2 MX110.2
Net-(D211-Pad2): D211.2 MX111.2
Net-(D212-Pad2): D212.2 MX114.2
Net-(D213-Pad1): D213.1 R97.1
Net-(D214-Pad1): D214.1 R98.1
Net-(D215-Pad1): D215.1 R99.1
Net-(D216-Pad1): D216.1 R100.1
Net-(D217-Pad1): D217.1 R105.1
Net-(D218-Pad1): D218.1 R106.1
Net-(D219-Pad1): D219.1 R117.1
Net-(D219-Pad2): D219.2 Q2.1 SW1.2
Net-(D223-Pad1): D223.1 D224.1 R112.1
Net-(F1-Pad1): F1.1 USB1.2 USB1.11
Net-(Q1-Pad1): Q1.1 R114.2 R115.1
Net-(R107-Pad2): R107.2 USB1.4
Net-(R108-Pad2): R108.2 USB1.10
Net-(R113-Pad2): R113.2 RGB1.4
Net-(RGB1-Pad2): RGB1.2 RGB2.4
Net-(RGB2-Pad2): RGB2.2 RGB3.4
Net-(RGB3-Pad2): RGB3.2 RGB4.4
Net-(RGB4-Pad2): RGB4.2 RGB5.4
Net-(RGB5-Pad2): RGB5.2 RGB6.4
Net-(RGB6-Pad2): RGB6.2 RGB7.4
Net-(RGB7-Pad2): RGB7.2 RGB8.4
Net-(RGB8-Pad2): RGB8.2 RGB9.4
Net-(RGB10-Pad4): RGB9.2 RGB10.4
Net-(RGB11-Pad4): RGB11.4 RGB12.2
Net-(RGB12-Pad4): RGB12.4 RGB13.2
Net-(RGB13-Pad4): RGB13.4 RGB14.2
Net-(RGB14-Pad4): RGB14.4 RGB15.2
Net-(RGB15-Pad4): RGB15.4 RGB16.2
Net-(RGB16-Pad4): RGB16.4 RGB17.2
Net-(RGB17-Pad4): RGB17.4 RGB18.2
Net-(RGB18-Pad4): RGB18.4 RGB19.2
Net-(RGB19-Pad4): RGB19.4 RGB20.2

Pads without a net: D201 1; SW3 MP; USB1 3 9

## Via types
v1: diameter 0.8, hole 0.4, Top to Bottom, 117 vias
v2: diameter 0.6, hole 0.3, Top to Bottom, 81 vias
v3: diameter 0.6, hole 0.4, Top to Bottom, 11 vias
v4: diameter 0.5, hole 0.3, Top to Bottom, 5 vias

## Routing (per net, layer and track width the routed paths; a pad name or vN(x,y) marks a point on that pad's centre or on a via; arc(x,y) is an arc through that point)
+5V: length 3232.1
  Top w0.4: D216.2 278.15,4.7 278.15,8.2 280.19,10.24 D191.2 278.15,23.75 278.15,27.02 279.68,28.55 279.68,31.91 D132.2 ; D91.2 361.15,91.2 359.11,89.16 359.11,85.66 D122.2 ; D94.2 342.1,91.2 340.06,89.16 340.06,85.66 D142.2 342.1,72.06 340.07,70.02 340.07,66.61 D115.2 342.1,53.01 340.07,50.97 340.07,47.56 D126.2 342.11,34.05 340.07,32.01 340.07,28.51 D197.2 342.11,15 340.68,13.57 340.68,8.85 D217.2 ; D90.2 25.74,85.66 25.74,88.93 27.37,90.56 27.37,92.66 32.54,97.84 D2.2 ; D87.2 44.79,85.66 44.79,88.93 46.42,90.56 46.42,92.66 51.59,97.84 D6.2 ; D84.2 63.84,85.66 63.84,88.93 65.47,90.56 65.47,92.66 70.64,97.84 D9.2 ; D8.2 232.57,90.11 228.18,85.73 220.38,85.73 D89.2 ; D14.2 194.47,90.11 190.08,85.73 182.28,85.73 D83.2 ; 323.06,64.57 323.06,53.1 321.02,51.06 321.02,47.56 323.06,45.52 323.06,34.05 321.02,32.01 321.02,28.51 D196.2 328.02,21.5 v2(328.02,20.36) ; D114.2 268.86,66.38 268.86,70.11 270.15,71.41 270.15,74.12 268.45,75.82 D111.2 ; D199.4 D200.4 304.52,23.87 306.39,23.87 v3(308.99,26.47) ; D86.2 201.33,85.73 209.13,85.73 213.52,90.11 D11.2 ; D223.2 33.22,9.13 33.22,13.08 34.37,14.23 34.37,16.41 30.5,20.28 30.5,24.43 D195.2 ; v2(92.28,19.76) 89.69,22.35 D189.2 ; v2(213.72,19.76) 210.7,19.76 D125.2 ; D215.2 259.14,4.66 259.14,8.01 260.33,9.2 260.33,11.61 259.44,12.5 257.09,12.5 251.78,17.81 v2(251.78,20.32) D117.2 ; D192.2 51.59,23 v2(54.16,20.43) ; D214.2 379.09,23.46 379.09,56.16 D145.2 ; v2(138.47,19.76) 134.5,19.76 D136.2 ; D148.2 299.24,72.15 297.2,70.11 297.2,66.61 D123.2 299.24,53.1 297.2,51.06 297.2,47.56 D127.2 299.24,34.85 297.2,32.81 297.2,13.13 298.77,11.57 298.77,9.56 297.2,8 297.2,4.7 D213.2 ; D106.2 11.45,66.61 11.45,70.06 12.68,71.29 12.68,73.22 8.73,77.17 D93.2 ; D138.2 249.58,47.56 249.58,50.94 251.01,52.38 251.01,54.56 249.39,56.18 D134.2 251.46,62.51 v2(262.12,62.51) ; D81.2 82.89,85.66 82.89,88.93 84.52,90.56 84.52,92.66 89.69,97.84 D12.2 ; D198.2 365.7,28.48 365.7,33.04 367.49,34.83 367.49,37.5 363.7,41.29 D130.2 ; D135.2 165.89,22.35 v2(168.48,19.76) ; D201.4 303.38,29.94
  Bottom w0.4: 139.84,19.76 v2(138.47,19.76) ; v2(92.28,19.76) C15.2 95.61,19.76 ; v2(168.48,19.76) C21.2 171.81,19.76 ; v2(213.72,19.76) C23.2 216.89,19.76 ; RGB1.1 22.76,100.61 18.51,100.61 15.05,97.15 10.6,97.15 ; RGB1.1 29.58,107.43 D2.2 34.61,105.37 49.53,105.37 D6.2 53.66,105.37 68.58,105.37 D9.2 72.71,105.37 87.63,105.37 D12.2 91.76,105.37 111.44,105.37 D15.2 115.57,105.37 130.49,105.37 D16.2 134.62,105.37 149.54,105.37 D13.2 153.67,105.37 168.59,105.37 D10.2 ; RGB1.1 53.64,102.21 55.24,100.61 60.86,100.61 RGB2.1 91.74,102.21 93.34,100.61 98.96,100.61 RGB3.1 129.84,102.21 131.44,100.61 137.06,100.61 RGB4.1 167.94,102.21 169.54,100.61 175.16,100.61 RGB5.1 178.88,102.21 ; RGB1.1 21.16,105.4 10.76,105.4 D1.2 ; D93.2 10.79,81.56 25.72,81.56 D90.2 29.84,81.56 44.77,81.56 D87.2 48.89,81.56 63.82,81.56 D84.2 67.94,81.56 82.87,81.56 D81.2 86.99,81.56 101.92,81.56 D79.2 106.04,81.56 120.97,81.56 D85.2 125.09,81.56 140.02,81.56 D82.2 144.14,81.56 159.07,81.56 D80.2 163.19,81.56 178.12,81.56 D83.2 182.24,81.56 197.17,81.56 D86.2 201.29,81.56 216.22,81.56 D89.2 220.34,81.56 235.27,81.56 D92.2 239.39,81.56 249.02,81.56 251.08,83.62 D95.2 258.44,81.56 266.38,81.56 D111.2 D97.2 ; 365.59,20.43 RGB20.1 369.31,22.03 375.13,22.03 D214.2 376.4,8.61 375.21,7.42 D218.2 ; D132.2 D127.2 301.31,43.46 320.99,43.46 D137.2 325.12,43.46 340.04,43.46 D126.2 344.17,43.46 361.63,43.46 D130.2 ; D190.2 72.71,24.41 87.63,24.41 D189.2 91.76,24.41 106.68,24.41 D188.2 110.81,24.41 125.73,24.41 D136.2 129.86,24.41 144.78,24.41 D120.2 148.91,24.41 163.83,24.41 D135.2 167.96,24.41 182.88,24.41 D141.2 187.01,24.41 201.93,24.41 D125.2 206.06,24.41 220.98,24.41 D140.2 225.11,24.41 249.71,24.41 D117.2 263.92,26.47 268.68,21.71 D191.2 ; D134.2 247.33,62.51 229.87,62.51 D133.2 225.74,62.51 210.82,62.51 D128.2 206.69,62.51 191.77,62.51 D143.2 187.64,62.51 172.72,62.51 D98.2 168.59,62.51 153.67,62.51 D104.2 149.54,62.51 134.62,62.51 D101.2 130.49,62.51 115.57,62.51 D102.2 111.44,62.51 96.52,62.51 D110.2 92.39,62.51 77.47,62.51 D105.2 73.34,62.51 58.42,62.51 D108.2 54.29,62.51 39.37,62.51 D100.2 ; C19.2 255.03,20.36 ; D183.2 15.78,5.29 32.8,5.29 D223.2 36.99,5.36 42.54,5.36 D224.2 63.56,7.42 64.77,8.63 116.27,8.63 119.54,5.36 123.51,5.36 D38.2 D35.2 132.24,5.36 141.27,5.36 144.54,8.63 196.64,8.63 197.84,7.42 D41.2 206.06,5.36 230.5,5.36 D44.2 234.63,5.36 251.7,5.36 254.4,2.66 D215.2 ; 376.53,102.21 RGB10.1 372.8,100.61 367.19,100.61 365.59,102.21 RGB9.1 334.7,100.61 329.09,100.61 327.49,102.21 RGB8.1 296.6,100.61 290.99,100.61 289.39,102.21 RGB7.1 258.5,100.61 252.89,100.61 251.29,102.21 RGB6.1 ; D196.2 v3(308.99,26.47) ; D195.2 D194.2 21.11,24.41 13.17,24.41 D193.2 7.11,26.47 5.95,25.32 5.95,20.92 7.11,19.76 C17.2 ; D116.2 380.38,81.26 363.52,81.26 D122.2 ; RGB18.1 259.96,15.66 RGB17.1 ; D5.2 325.12,105.37 340.04,105.37 D94.2 344.17,105.37 359.09,105.37 D91.2 363.22,105.37 380.68,105.37 D88.2 384.75,105.43 384.75,102.99 384.04,102.28 C26.1 ; C22.1 181.45,104.95 181.45,108.21 U5.4 182.83,115.98 186.51,119.66 F1.2 ; v2(262.12,62.51) 263.23,61.4 D113.2 D114.2 272.43,62.81 275.18,62.81 276.37,61.61 296.29,61.61 D123.2 302.2,61.61 320.1,61.61 D131.2 326.01,61.61 339.15,61.61 D115.2 345.06,61.61 360.74,61.61 D118.2 369.41,58.86 D145.2 ; D138.2 249.55,43.46 234.63,43.46 D146.2 230.5,43.46 215.58,43.46 D139.2 211.45,43.46 196.53,43.46 D119.2 192.4,43.46 177.48,43.46 D124.2 173.35,43.46 158.43,43.46 D129.2 154.3,43.46 139.38,43.46 D121.2 135.25,43.46 120.33,43.46 D144.2 116.2,43.46 101.28,43.46 D109.2 97.15,43.46 82.23,43.46 D107.2 78.1,43.46 63.18,43.46 D99.2 59.05,43.46 44.13,43.46 D96.2 ; v2(54.16,20.43) RGB12.1 ; 19.71,19.83 RGB11.1 23.14,21.13 28.16,21.13 29.74,19.55 35.39,19.55 39.97,24.13 49.25,24.13 D192.2 ; C13.2 141.96,19.76 ; v2(328.02,20.36) C29.2 331.23,20.36 ; D47.2 325.18,5.29 332.99,5.29 D50.2 D217.2 ; v2(251.78,20.32) 253.11,20.32 ; D14.2 196.53,105.37 211.45,105.37 D11.2 215.58,105.37 230.5,105.37 D8.2 234.63,105.37 249.55,105.37 D7.2 253.68,105.37 273.37,105.37 D3.2 277.49,105.37 288.01,105.37 290.08,107.43 D4.2
